# Altium PCB MB1019.PcbDoc (part 1 of 4)
Units mil, origin at the board's own origin, x right, y up, seen from the top; angles counter-clockwise.
Board outline 4655 x 6805 mil, 4 copper layers (TopLayer, VCC, GND, BottomLayer), stack 26.137 mil thick; 557 components, 425 nets, 1918 pads, 817 vias.
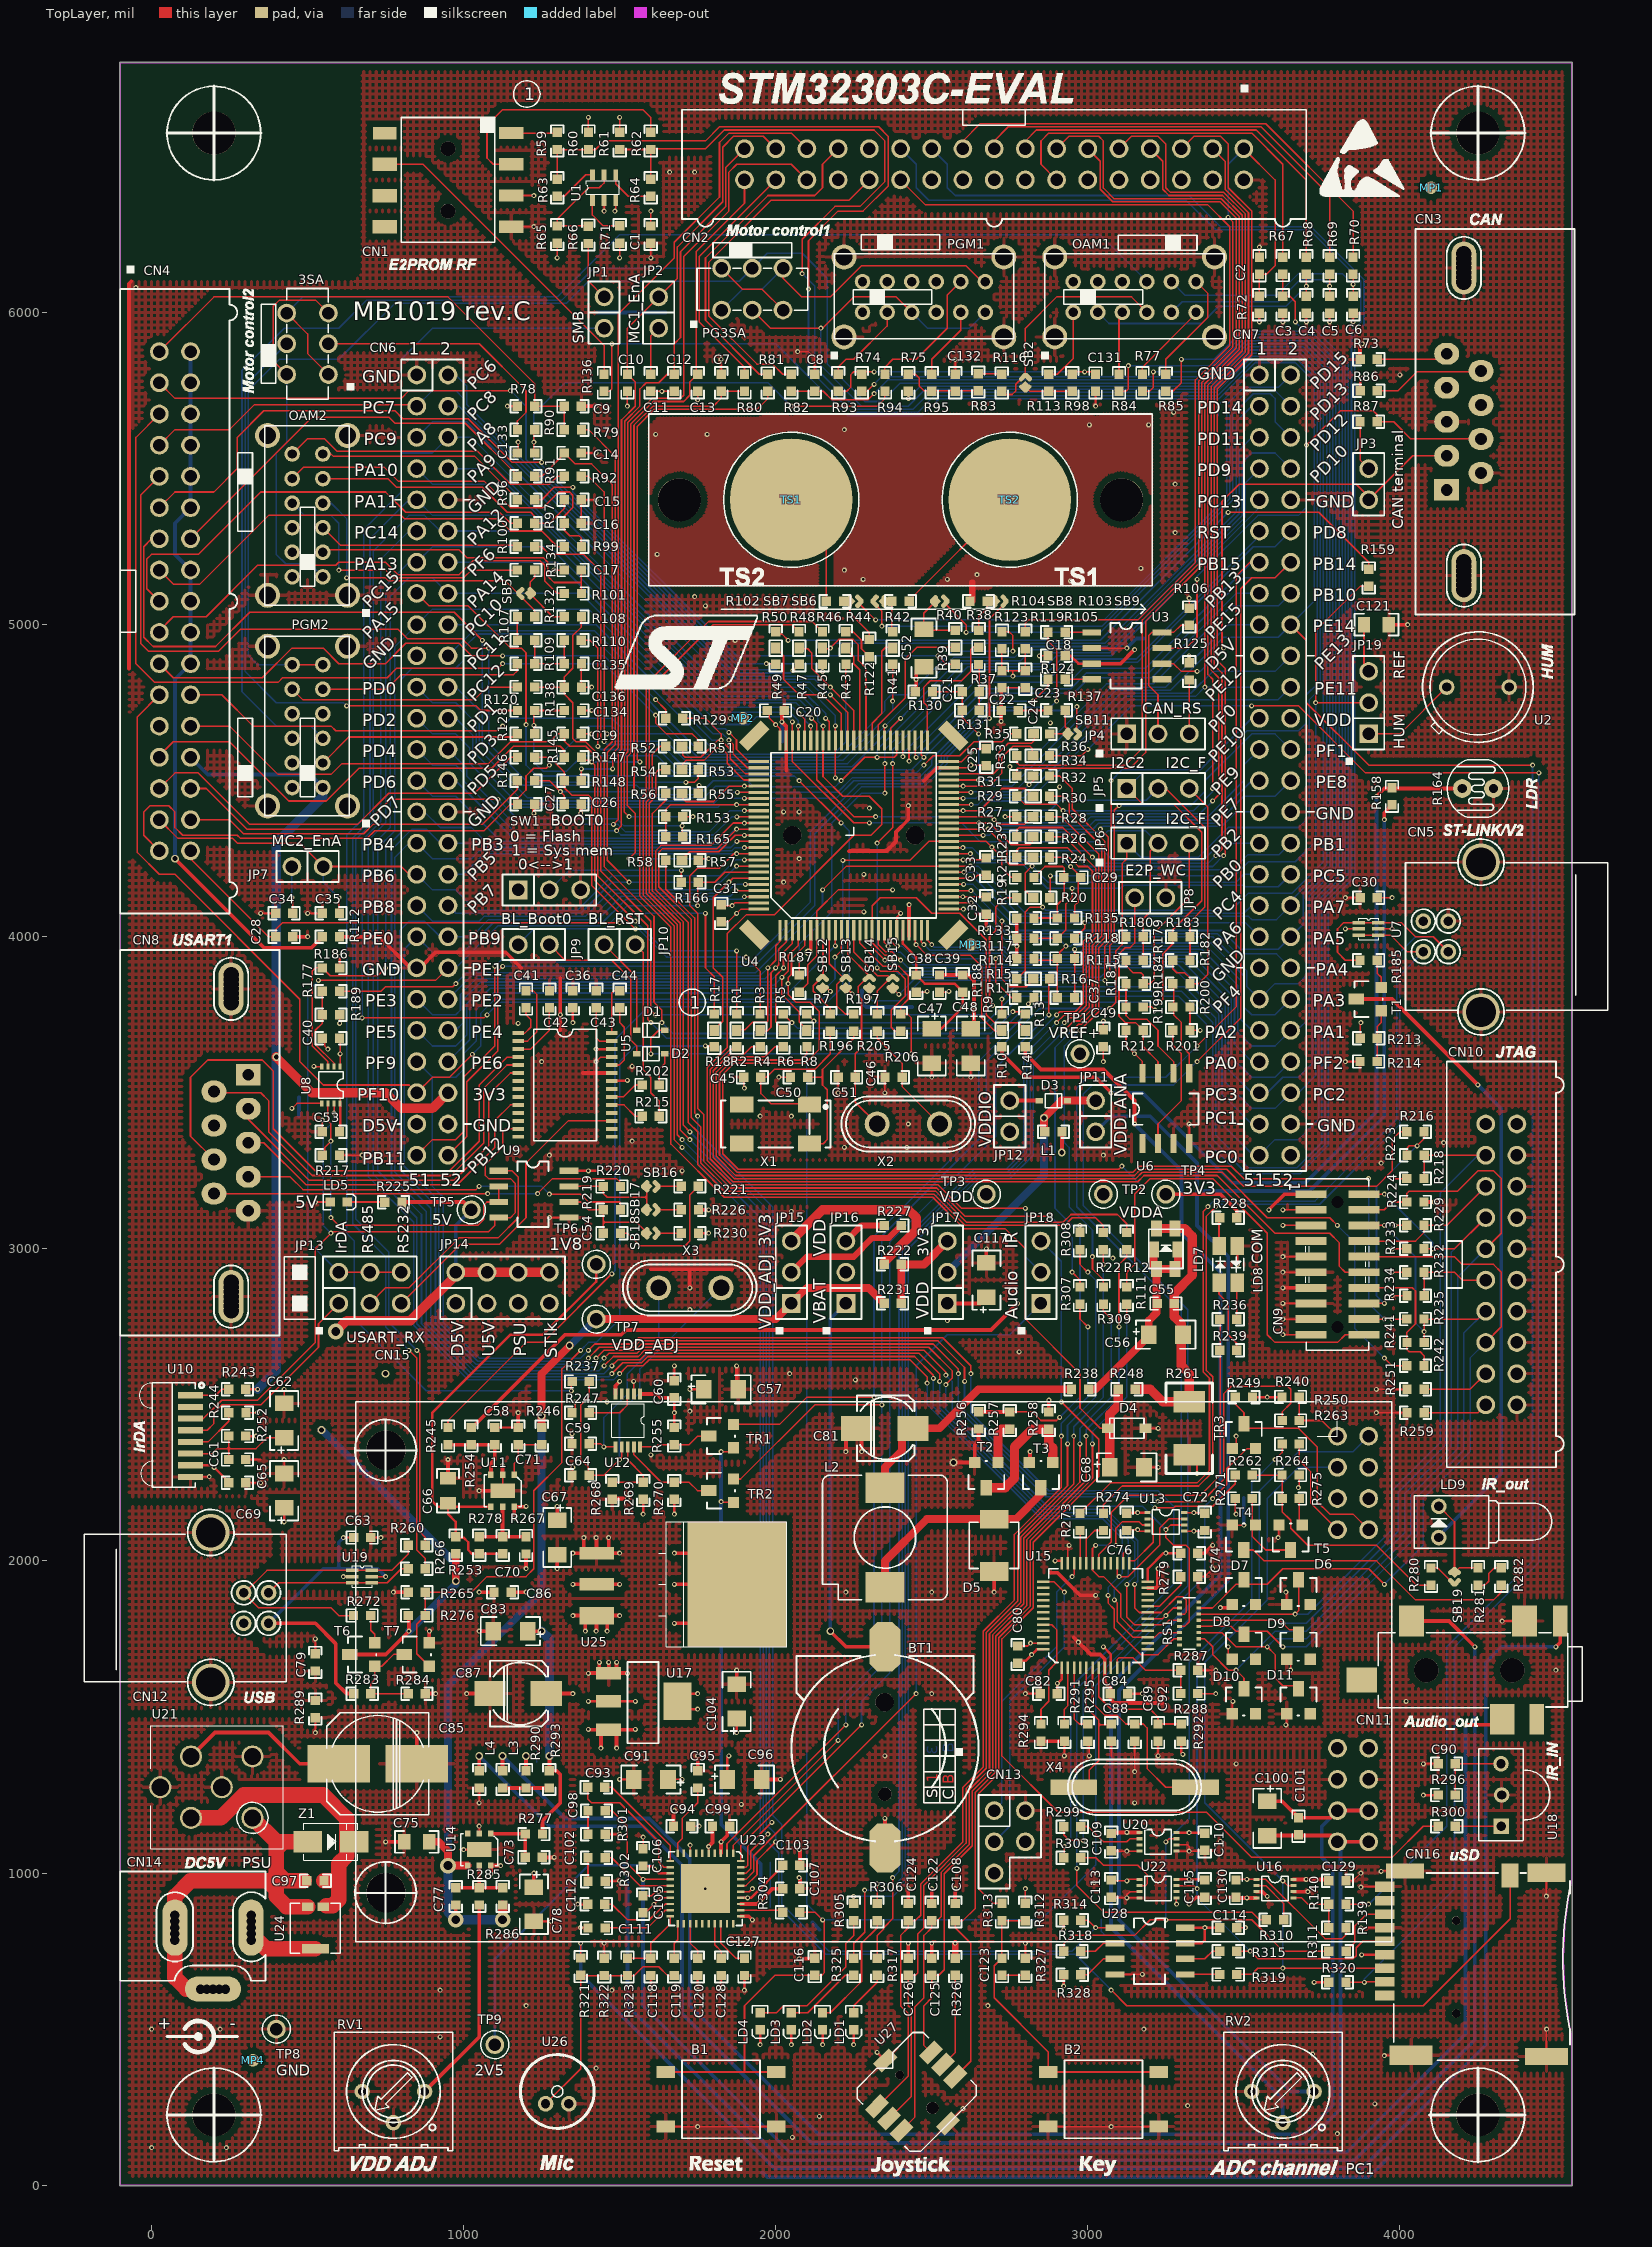
[diagram p0: TopLayer view]
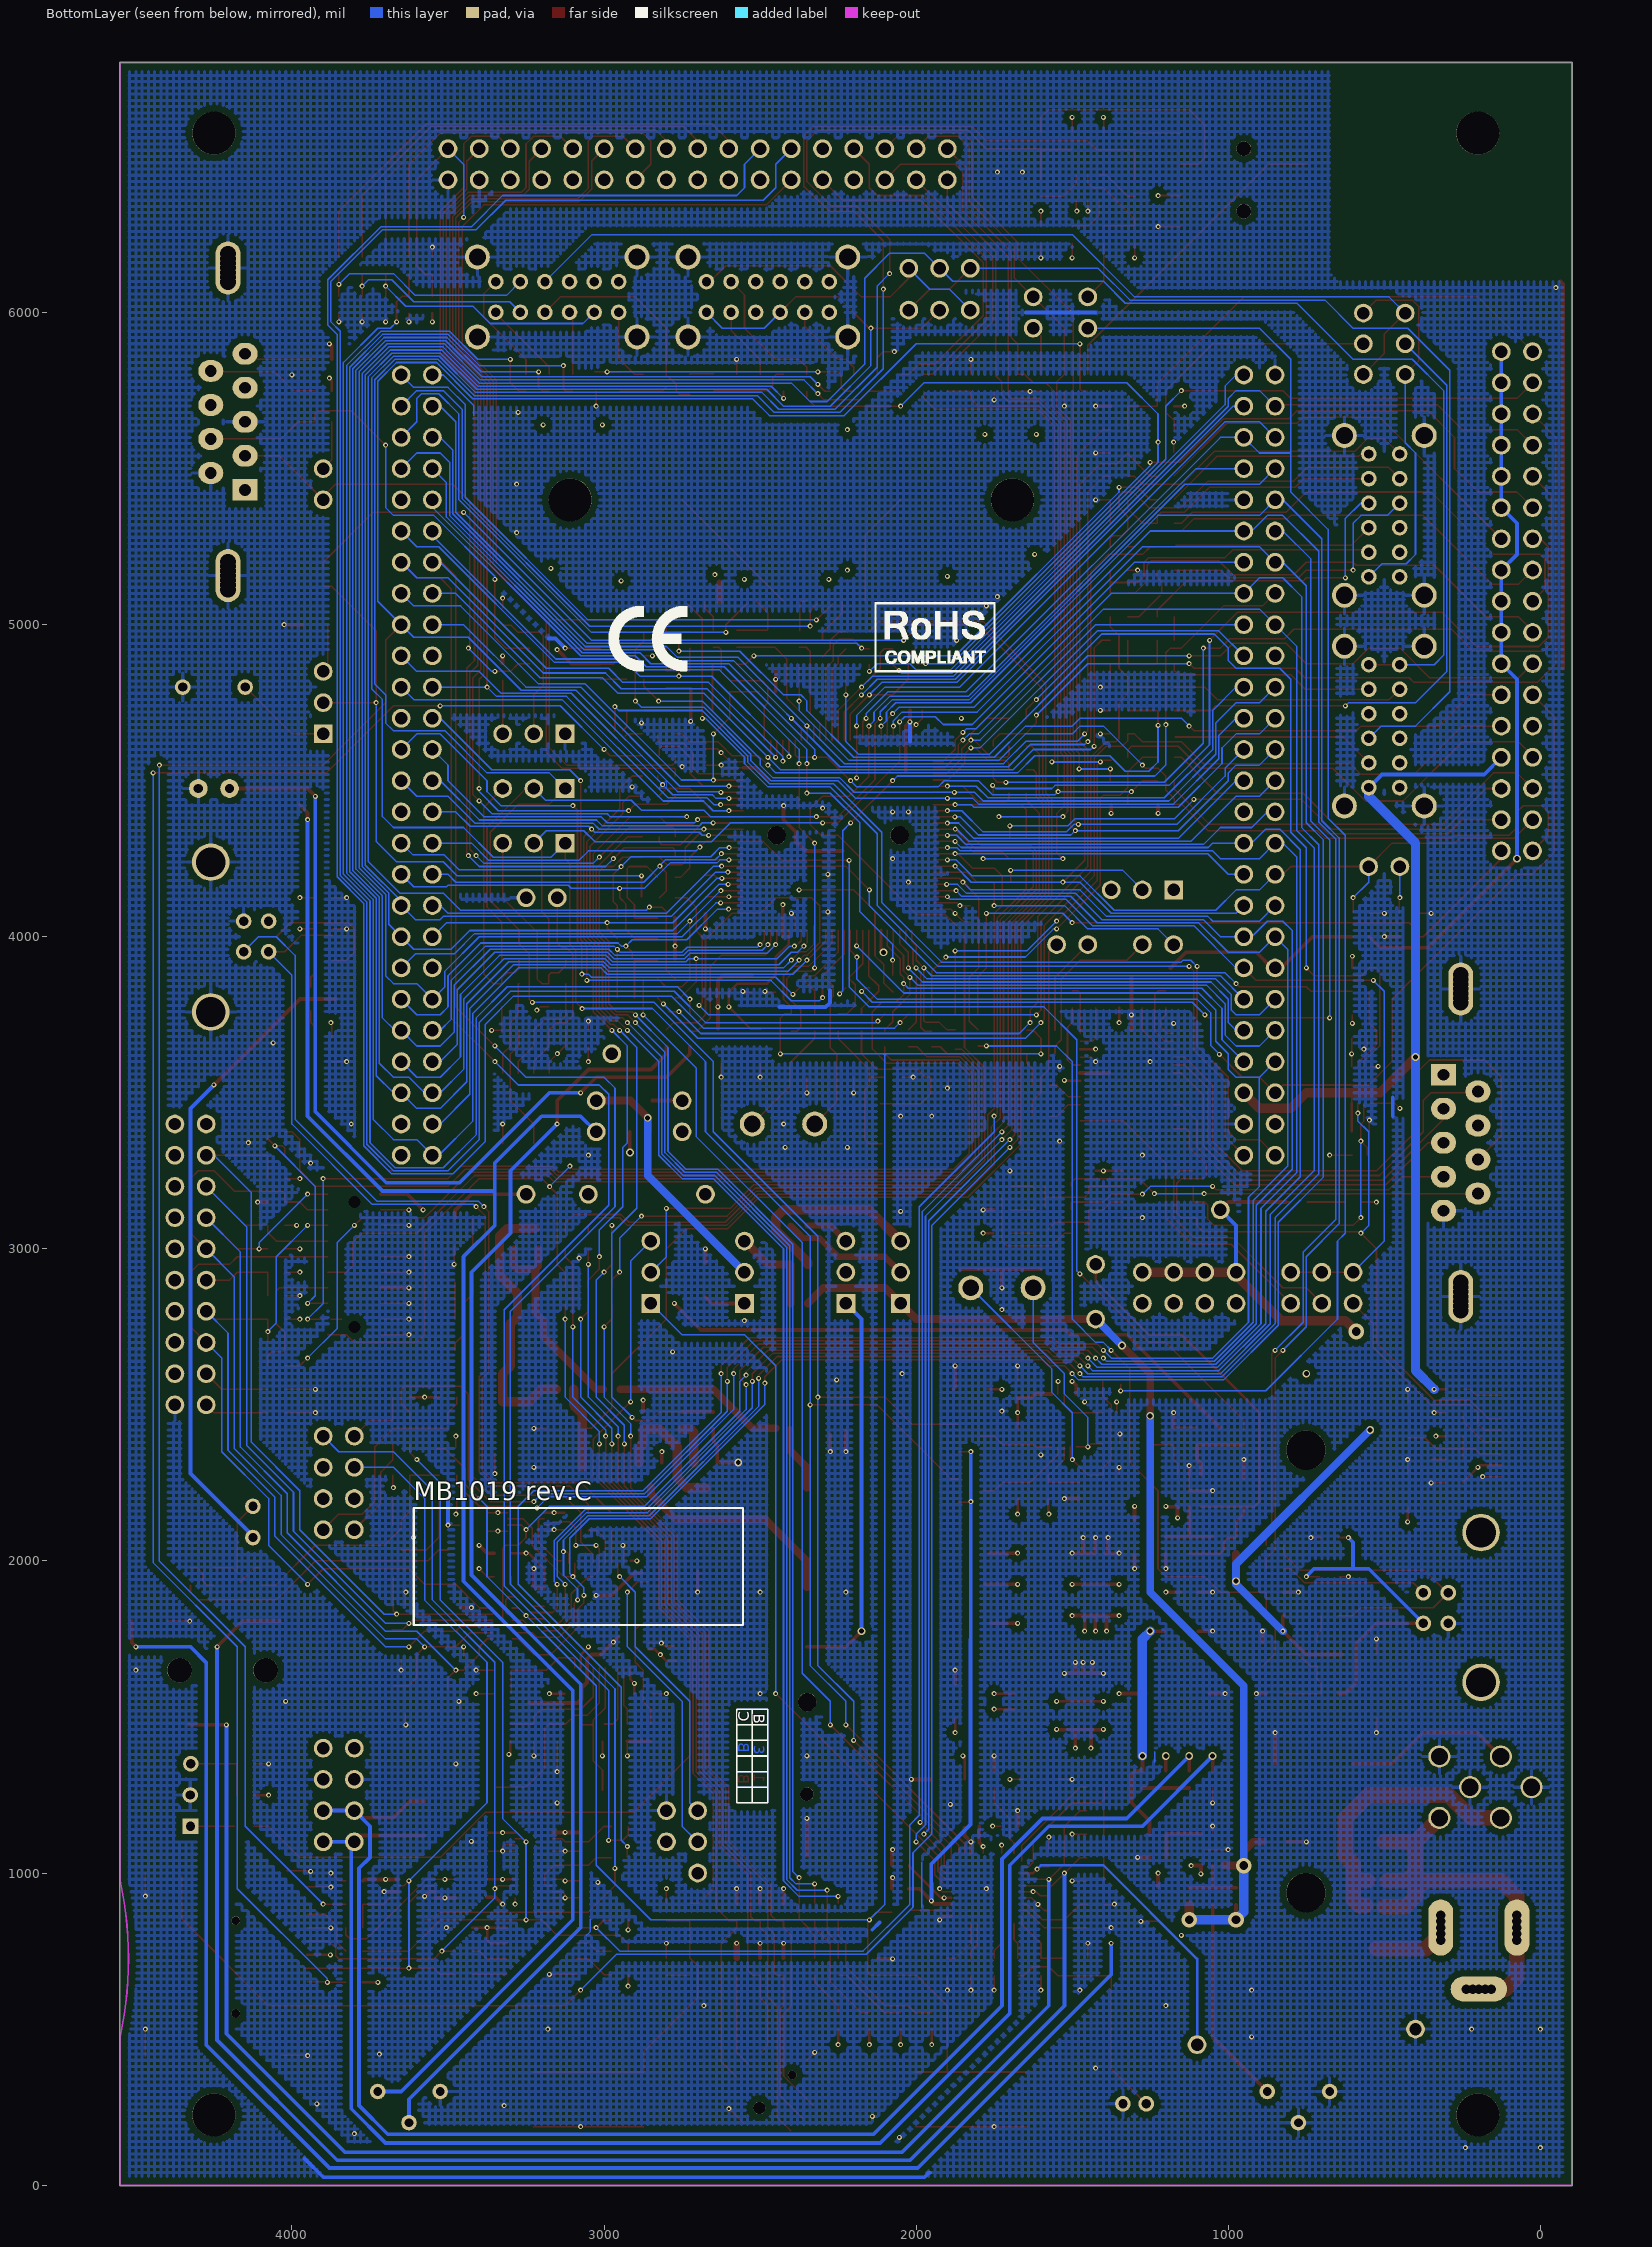
[diagram p1: BottomLayer view, seen from below]
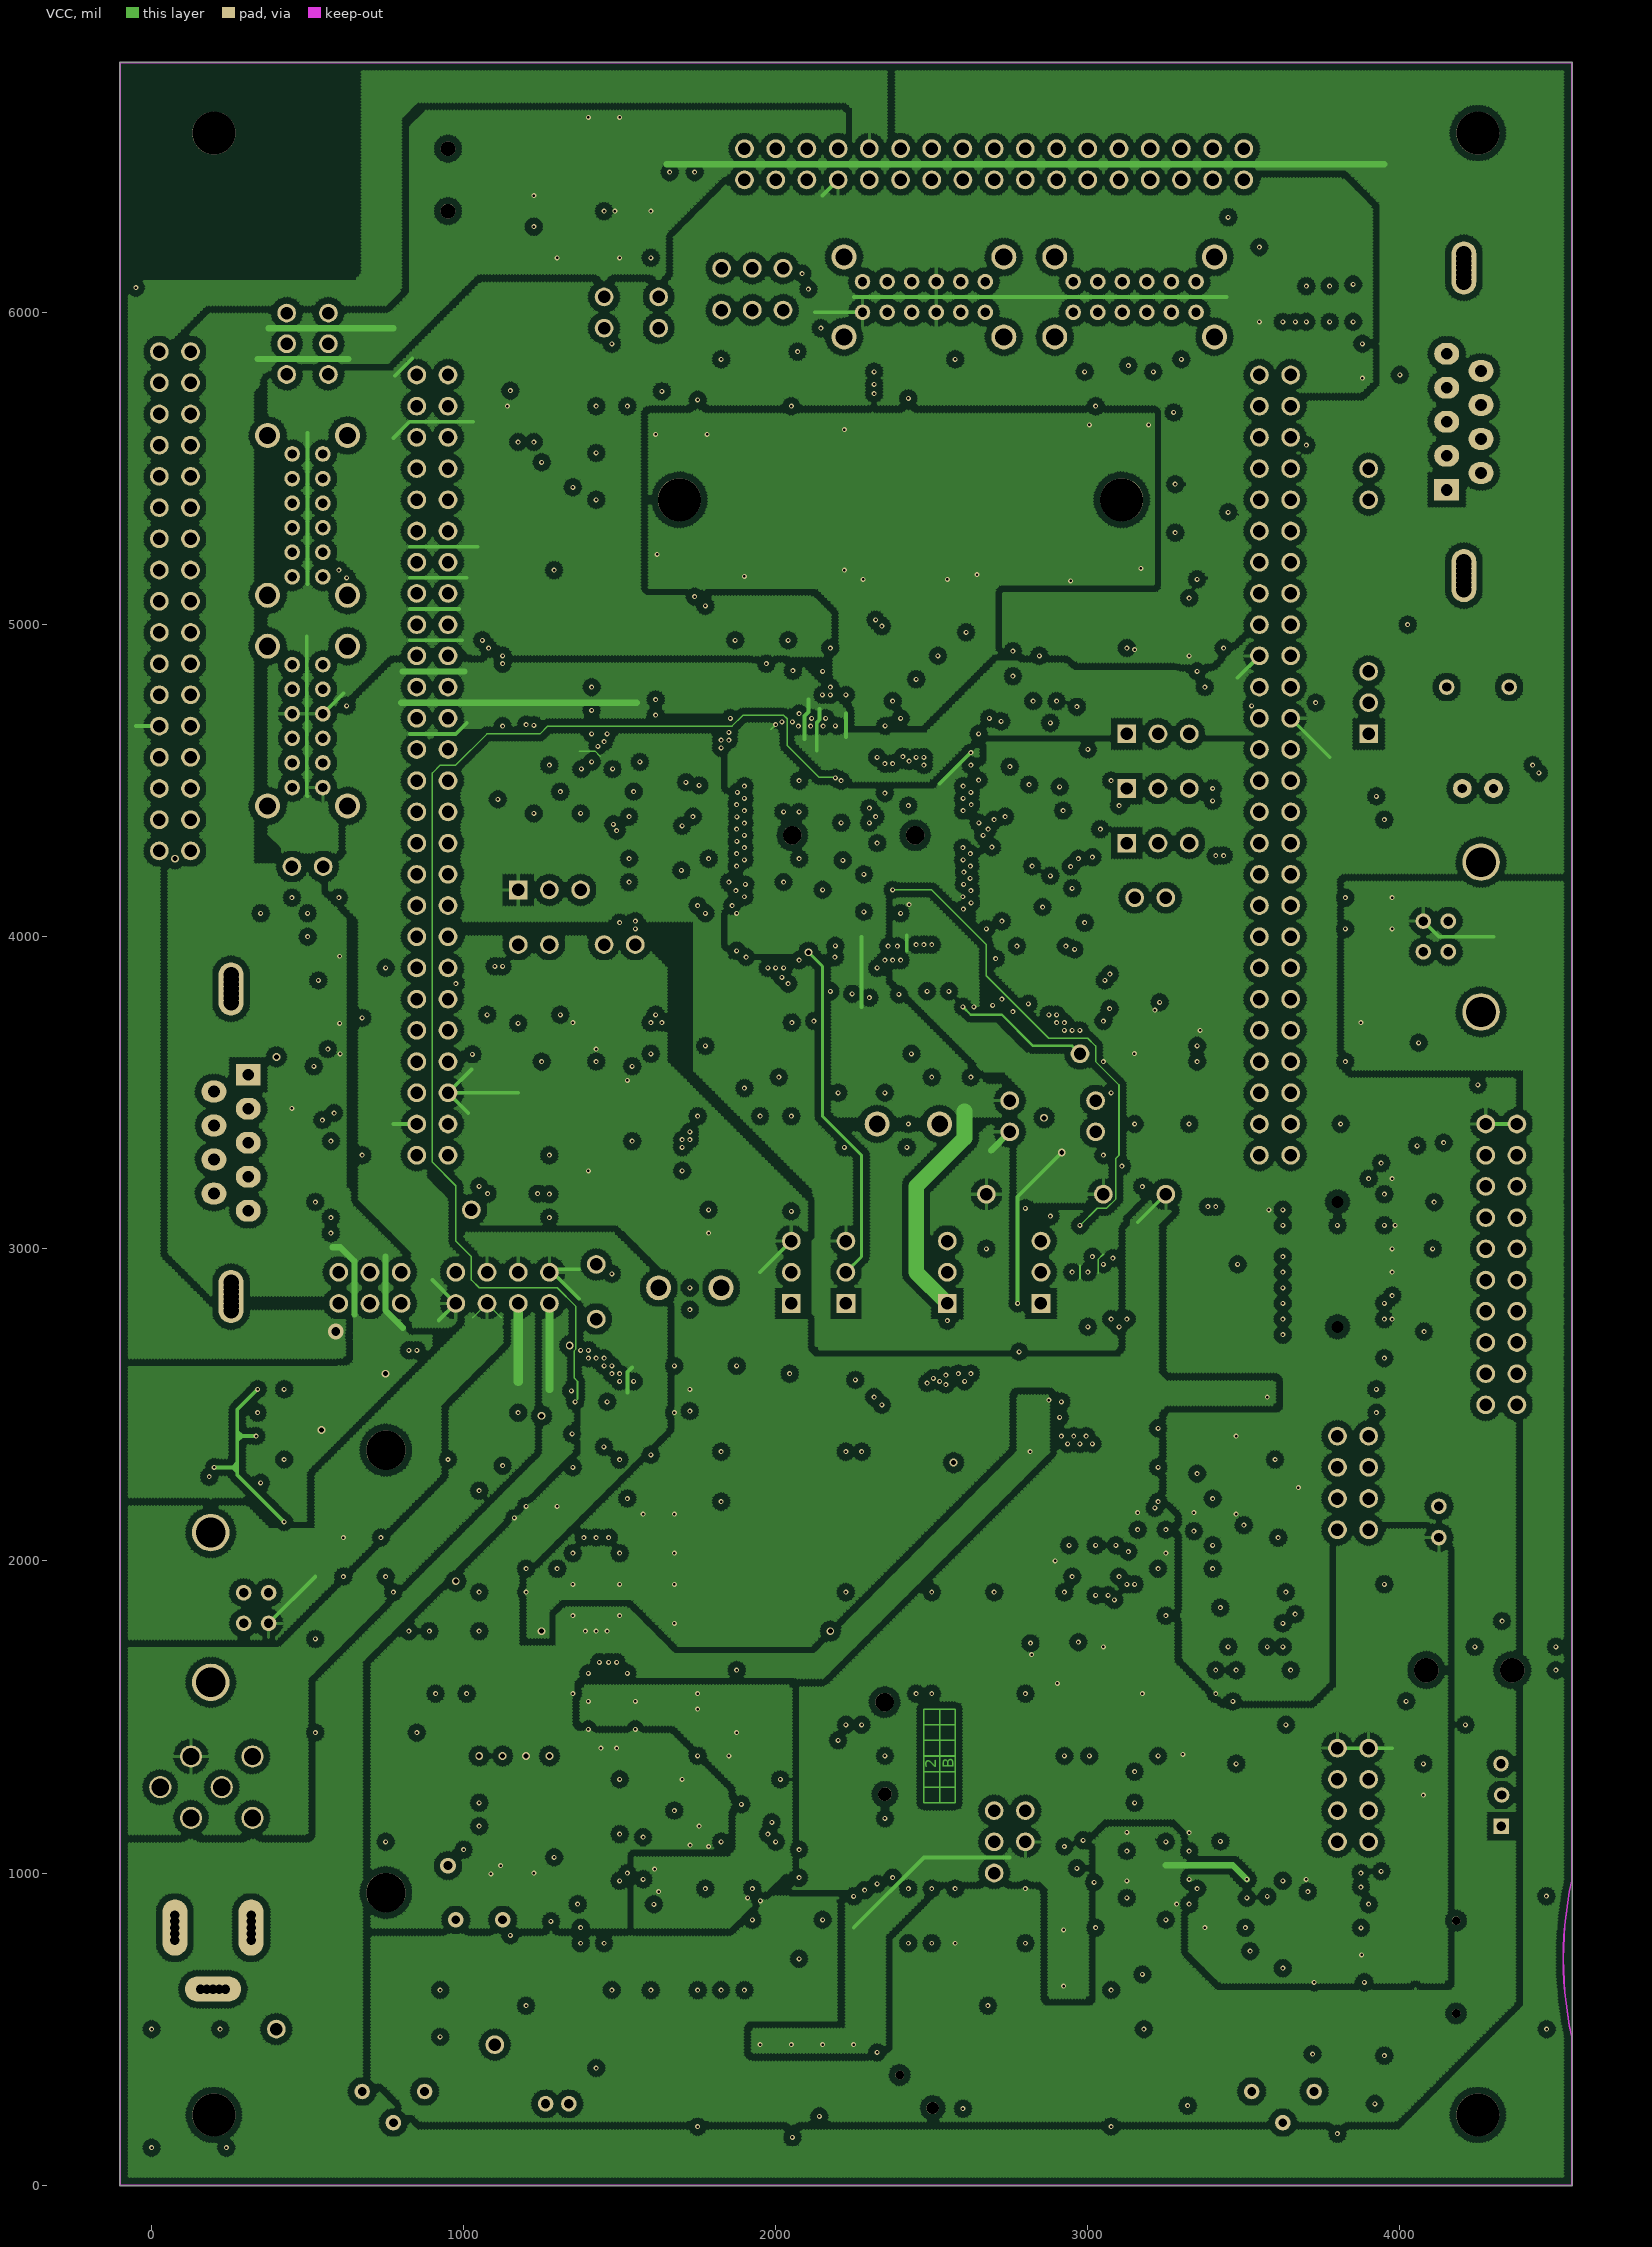
[diagram p2: VCC]